# KiCad board Controller.kicad_pcb (continued)
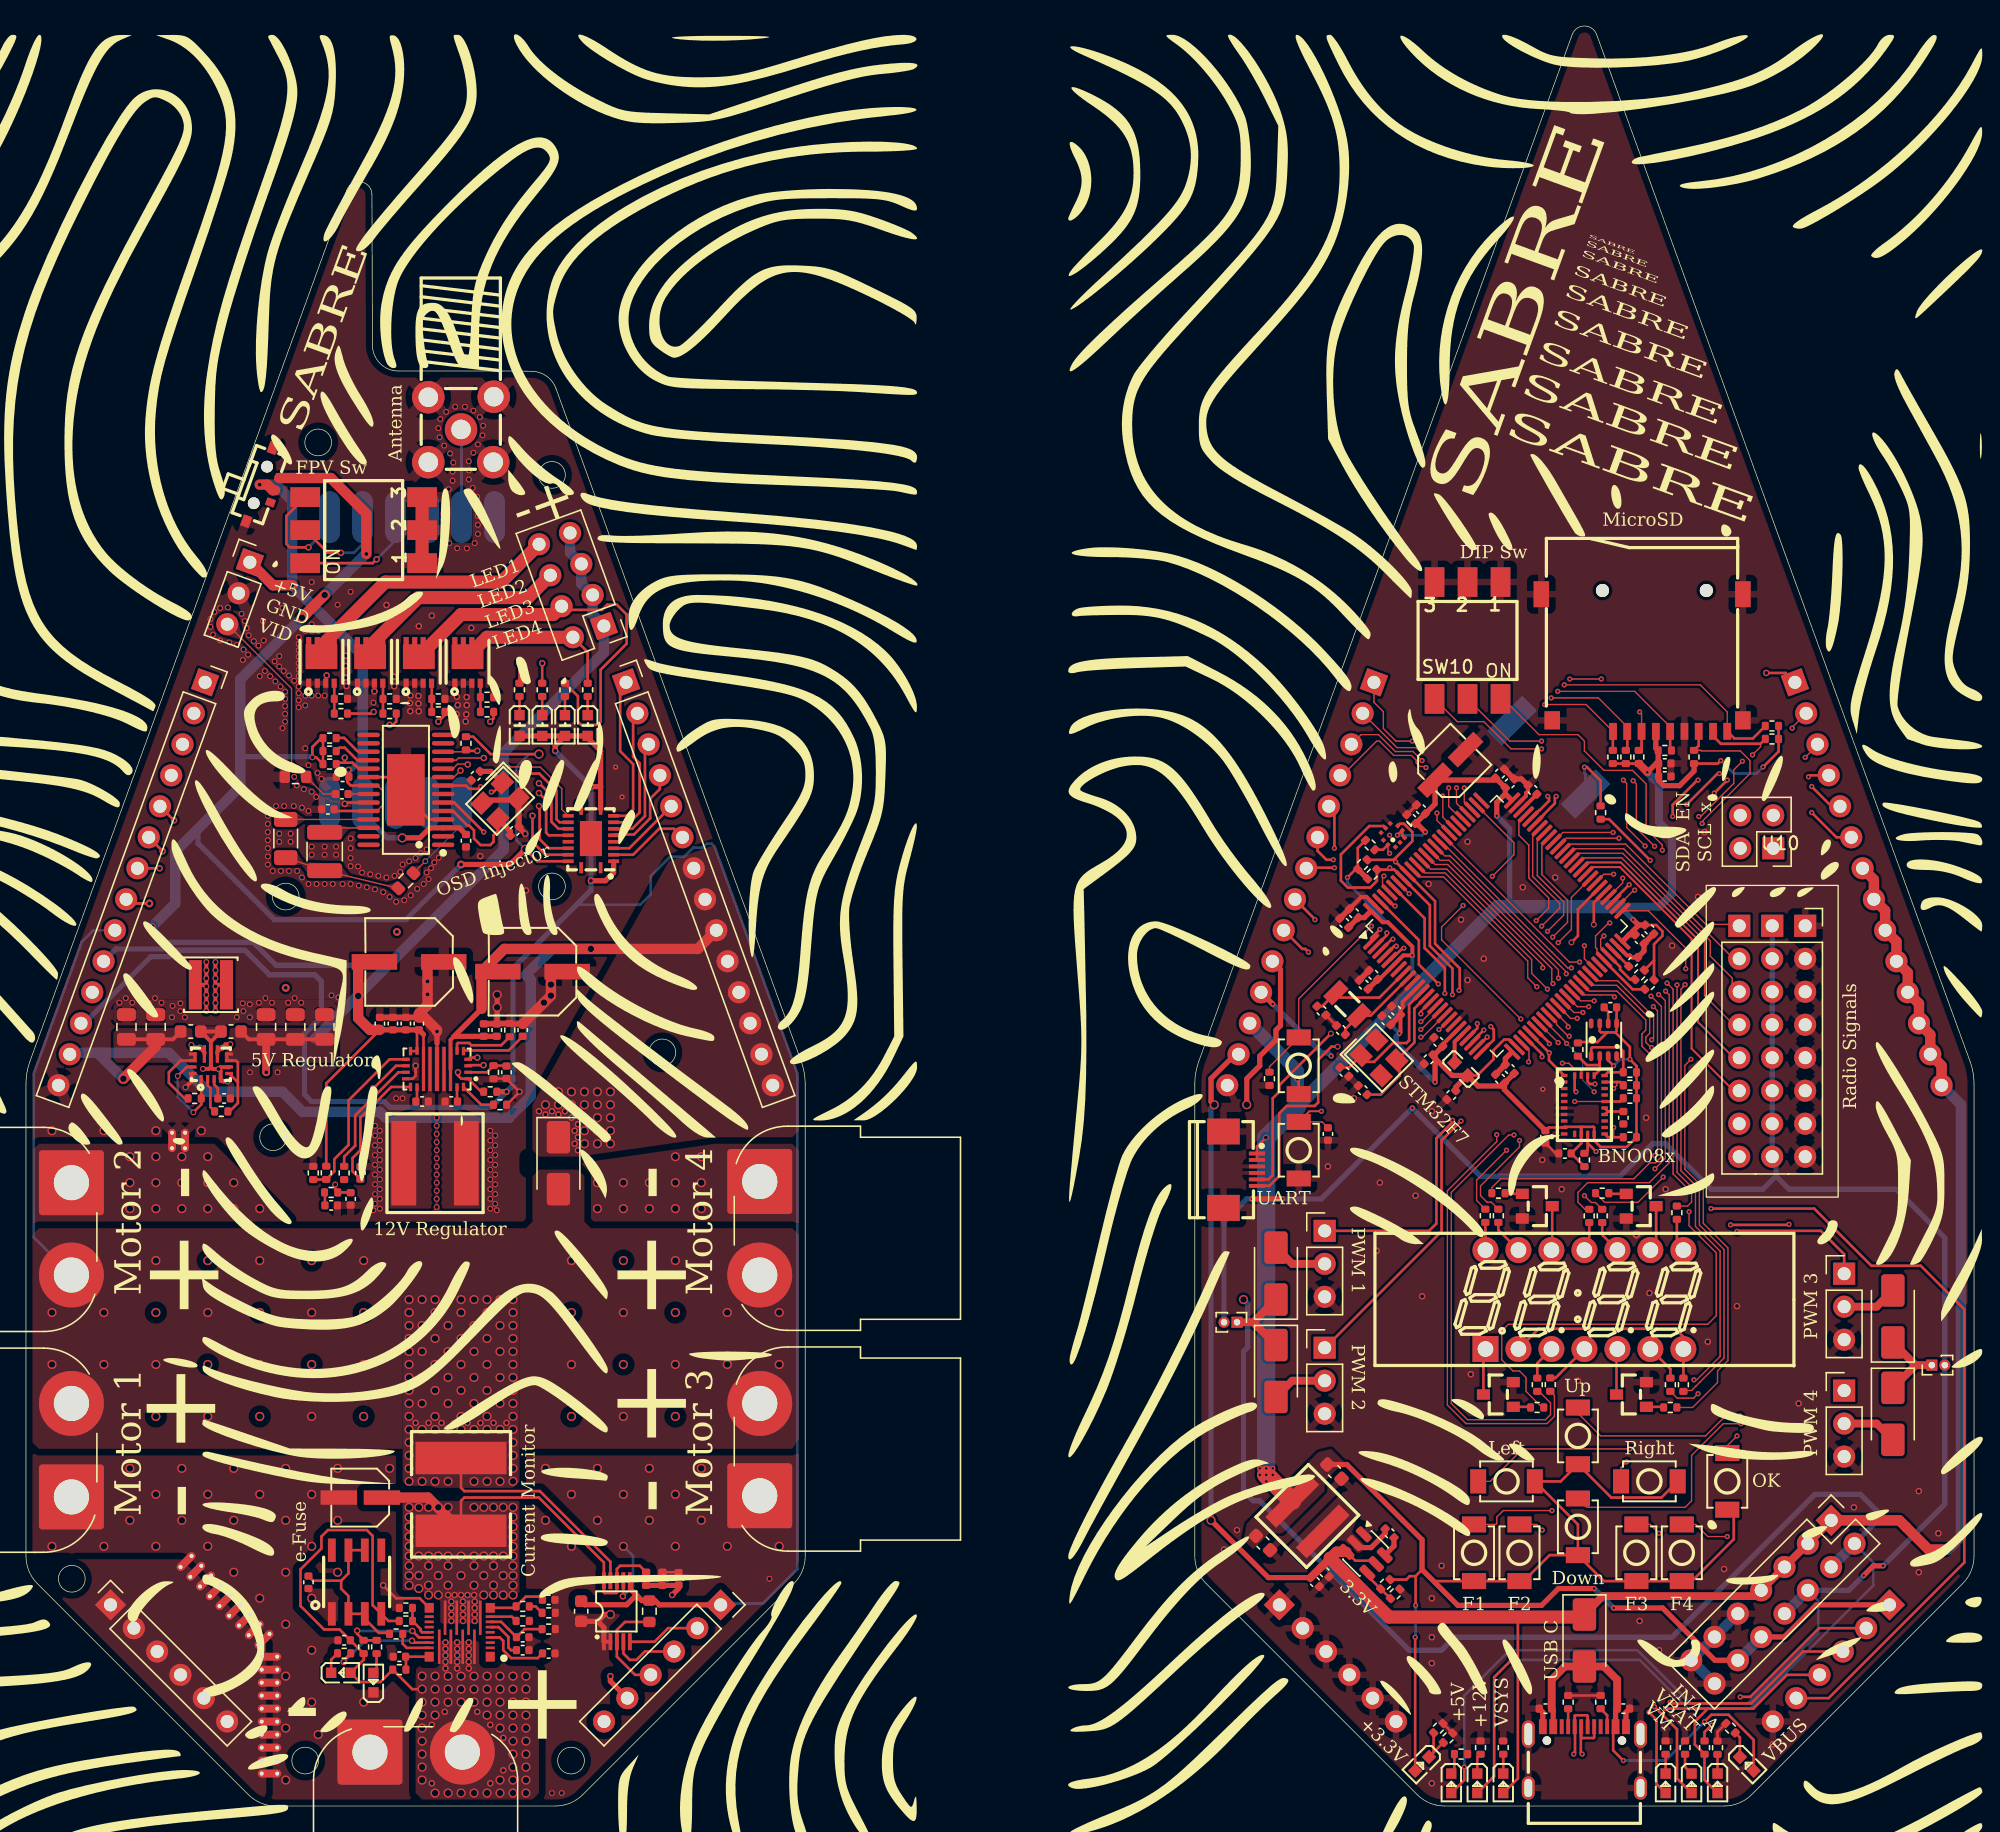
[diagram p0: board, top side]
## Library data of the parts (continued)
GPS = -: LCSC Part: C2856796
J1 = -: Description: Generic connector, double row, 02x07, odd/even pin numbering scheme (row 1 odd numbers, row 2 even numbers), script generated (kicad-library-utils/schlib/autogen/connector/); ki_fp_filters: Connector*:*_2x??_*
J2 J9 = -: Description: Generic connector, single row, 01x02, script generated; ki_fp_filters: Connector*:*_1x??_*
J5-J8 J10 = -: Description: Generic connector, single row, 01x03, script generated; ki_fp_filters: Connector*:*_1x??_*
J12 = -: Description: Generic connector, double row, 02x02, top/bottom pin numbering scheme (row 1: 1...pins_per_row, row2: pins_per_row+1 ... num_pins), script generated (kicad-library-utils/schlib/autogen/connector/); ki_fp_filters: Connector*:*_2x??_*
J13 J15 J18 J20 = -: Description: Generic connector, single row, 01x14, script generated; ki_fp_filters: Connector*:*_1x??_*
J14 J16 J17 J19 = -: Description: Generic connector, single row, 01x06, script generated; ki_fp_filters: Connector*:*_1x??_*
J21 = -: Description: Generic connector, double row, 02x04, odd/even pin numbering scheme (row 1 odd numbers, row 2 even numbers), script generated (kicad-library-utils/schlib/autogen/connector/); ki_fp_filters: Connector*:*_2x??_*
L1 = -: LCSC Part: C3033018
L2 = -: Datasheet: https://lcsc.com/product-detail/Multilayer-Ceramic-Capacitors_600R-25-at100MHz_C141723.html; LCSC Part: C141723
LED1 = -: Datasheet: https://lcsc.com/product-detail/Led-Segment-Display_4Bit0-28Inch-red-digital-LED_C10707.html; Description: 150mA; LCSC Part: C10707
LED2 LED9 LED11-LED16 = -: Datasheet: https://lcsc.com/product-detail/Light-Emitting-Diodes-LED_Yellow-green-0603_C2289.html; LCSC Part: C2289
LED3 LED8 = -: Datasheet: https://lcsc.com/product-detail/Light-Emitting-Diodes-LED_Red-LED-0603_C2286.html; LCSC Part: C2286
LED4-LED7 = -: Datasheet: https://lcsc.com/product-detail/Light-Emitting-Diodes-LED_0603White-light_C2290.html; LCSC Part: C2290
NT1 NT7-NT12 NT13#3 NT14 NT15#2 NT16 = -: Description: Net tie, 2 pins; ki_fp_filters: Net*Tie*
NT10#2-NT10#4 NT11#2-NT11#4 NT13 NT13#2 NT15 NT15#3 = -: Description: Net tie, 2 pins
Q1-Q3 Q5 = -: Datasheet: https://lcsc.com/product-detail/MOSFET_TI_CSD16340Q3_CSD16340Q3_C47616.html; LCSC Part: C47616
Q7-Q10 = -: Datasheet: https://lcsc.com/product-detail/MOSFET_LBSS138LT1G_C8490.html; LCSC Part: C8490
R1 R2 R4-R56 R58 R60-R69 R72-R78 R82-R88 R96-R104 = -: Description: Resistor; ki_fp_filters: R_*
R3 = -: Datasheet: https://lcsc.com/product-detail/Low-Resistors-Current-Sense-Resistors-Surface-Mount_Milliohm-HoLR2725D-4W-2mR-1_C500746.html; Description: Shunt; LCSC Part: C500746
SW1-SW9 SW11 SW12 = -: Datasheet: https://lcsc.com/product-detail/Tactile-Switches_XUNPU-TS-1088-AR02016_C720477.html; LCSC Part: C720477
SW10 SW14 = -: Datasheet: https://lcsc.com/product-detail/DIP-Switches_DIP-switch_C57453.html; LCSC Part: C57453
SW13 = -: Datasheet: https://lcsc.com/product-detail/Toggle-Switches_G-Switch-MK-11C04-G013_C778185.html; LCSC Part: C778185
U1 = -: Datasheet: https://www.st.com/resource/en/datasheet/stm32f765vg.pdf; Description: 200mA; ki_fp_filters: LQFP*14x14mm*P0.5mm*
U2 = -: Description: 20mA; LCSC Part: C717991
U3 = -: Description: 1mA; LCSC Part: C22391138
U4 = -: LCSC Part: C7305309
U5 = -: Description: 80mA; LCSC Part: C5346361
U6 = -: LCSC Part: C7498154
U7 = -: Description: 12V Buck/Boost; LCSC Part: C5942077
U8 = -: LCSC Part: C3911513
U9 = -: Datasheet: https://lcsc.com/product-detail/DC-DC-Converters_TI_TPS630701RNMT_TPS630701RNMT_C181473.html; Description: 5V Regulator; LCSC Part: C181473
U10 = -: Description: MC7REV2 compatible female pin headers for direct PCB connection
U11 = -: Description: Power Monitor; LCSC Part: C2653835
U12 = -: Datasheet: https://www.ti.com/lit/ds/symlink/lmr51430.pdf; Description: 3.3V Regulator; ki_fp_filters: SOT?23*
U13 = -: Description: RVT1E101M0607 25V; LCSC Part: C970685
U14 = -: Datasheet: https://lcsc.com/product-detail/Sensors_Bosch_BME280_BME280_C92489.html; LCSC Part: C92489
U15 = -: LCSC Part: C7420779
U16 = -: Datasheet: https://lcsc.com/product-detail/_Texas-Instruments_TXB0108RGYR_Texas-Instruments-Texas-Instruments-TXB0108RGYR_C194701.html; LCSC Part: C194701
U19 = -: LCSC Part: C6290347
U20 = -: LCSC Part: C2971297
USB1 = -: Datasheet: https://lcsc.com/product-detail/USB-Connectors_SHOU-HAN-TYPE-C-16P-073_C668624.html; LCSC Part: C668624
X1 = -: Datasheet: https://lcsc.com/product-detail/SMD-Crystals_YSX321SL-25MHZ-12PF-10PPM-40-85_C9006.html; LCSC Part: C9006
X2 = -: Datasheet: https://lcsc.com/product-detail/SMD-Crystals_EPSON_Q13FC1350000400_32-768KHz-20ppm-12-5pF_C32346.html; LCSC Part: C32346

## Footprints (pads in the part's own frame, mm; a bottom-side part is the same pattern mirrored in y, then rotated)
AMASS_XT60PW-F_1x02_P7.20mm_Horizontal
  round 5 hole 2.7: 1(-7.112,0)
  rrect 5x5 hole 2.7: 2(0,0)
AMASS_XT60PW-F_1x02_P7.20mm_Horizontal#2
  round 5 hole 2.7: 1(0,0)
  rrect 5x5 hole 2.7: 2(-7.2,0)
AMASS_XT60PW-M_1x02_P7.20mm_Horizontal
  rrect 5x5 hole 2.7: 1(7.112,0)
  round 5 hole 2.7: 2(0,0)
BUZ-SMD_L9.0-W9.0-P8.00-LS9.3
  rect 1.6x3.8 smd: 1(-4,0) 2(4,0)
C_0402_1005Metric
  rrect 0.56x0.62 smd: 1(-0.48,0) 2(0.48,0)
C_0603_1608Metric
  rrect 0.9x0.95 smd: 1(-0.775,0) 2(0.775,0)
C_0805_2012Metric
  rrect 1x1.45 smd: 1(-0.95,0) 2(0.95,0)
C_1206_3216Metric
  rrect 1.15x1.8 smd: 1(-1.475,0) 2(1.475,0)
C_1210_3225Metric
  rrect 1.15x2.7 smd: 1(-1.475,0) 2(1.475,0)
CAP-SMD_BD4.0-L4.3-W4.3-FD-LS5.3
  rect 2.8x1.1 smd: 1(-1.66,0) 2(1.66,0)
CAP-SMD_BD6.3-L6.6-W6.6-LS7.2-FD
  rect 3.5x1.2 smd: 1(-2.67,0) 2(2.67,0)
CAP-SMD_BD6.3-L6.6-W6.6-LS7.2-FD-1
  rect 3.5x1.2 smd: 1(-2.67,0) 2(2.67,0)
CRYSTAL-SMD_4P-L3.2-W2.5-BL
  rect 1.4x1.2 smd: 1(-1.1,-0.85) 2(1.1,-0.85) 3(1.1,0.85) 4(-1.1,0.85)
D_SMA
  rrect 2.5x1.8 smd: 1(-2,0) 2(2,0)
FC-135R_L3.2-W1.5
  rect 1x1.8 smd: 1(-1.25,0) 2(1.25,0)
FPC-SMD_6P-P0.50_XUNPU_FPC-05F-6PH20
  rect 0.3x1.25 smd: 1(-1.25,1.29) 2(-0.75,1.29) 3(-0.25,1.29) 4(0.25,1.29) 5(0.75,1.29) 6(1.25,1.29)
  rect 2x2.5 smd: 7(2.94,-1.29) 8(-2.94,-1.29)
HTSSOP-28_L9.7-W4.4-P0.65-LS6.4-BL-EP5.5
  oval 0.34x1.73 smd: 1(-4.23,-2.87) 2(-3.58,-2.87) 3(-2.93,-2.87) 4(-2.28,-2.87) 5(-1.63,-2.87) 6(-0.98,-2.87) 7(-0.32,-2.87) 8(0.33,-2.87) 9(0.98,-2.87) 10(1.63,-2.87) 11(2.28,-2.87) 12(2.93,-2.87) 13(3.58,-2.87) 14(4.23,-2.87) 15(4.23,2.87) 16(3.58,2.87) 17(2.93,2.87) 18(2.28,2.87) 19(1.63,2.87) 20(0.98,2.87) 21(0.33,2.87) 22(-0.32,2.87) 23(-0.98,2.87) 24(-1.63,2.87) 25(-2.28,2.87) 26(-2.93,2.87) 27(-3.58,2.87) 28(-4.23,2.87)
  rect 5.5x2.9 smd: 29(0,0)
IND-SMD_L4.0-W4.0-A
  rect 1x3.8 smd: 1(-1.2,0) 2(1.2,0)
IND-SMD_L5.5-W5.3
  rect 1.18x4.7 smd: 1(-1.66,0) 2(1.66,0)
IND-SMD_L7.5-W7.2-1
  rect 1.92x6.5 smd: 1(-2.41,0) 2(2.41,0)
L0603
  rect 0.8x0.86 smd: 1(-0.7,0) 2(0.7,0)
LED0603-R-RD_WHITE
  rect 0.8x0.8 smd: 1(0.8,0) 2(-0.8,0)
LED0603-RD
  rect 0.8x0.8 smd: 1(-0.75,0) 2(0.75,0)
LED-SEG-TH_14P-L32.2-W10.2-P2.54-S7.62-BL
  rect 2x2 hole 1.2: 1(-7.62,-3.81)
  round 2 hole 1.2: 2(-5.08,-3.81) 3(-2.54,-3.81) 4(0,-3.81) 5(2.54,-3.81) 6(5.08,-3.81) 7(7.62,-3.81) 8(7.62,3.81) 9(5.08,3.81) 10(2.54,3.81) 11(0,3.81) 12(-2.54,3.81) 13(-5.08,3.81) 14(-7.62,3.81)
LGA-8_BME280_BL
  oval 0.77x0.36 smd: 1(1.26,0.98) 2(1.26,0.33) 3(1.26,-0.32) 4(1.26,-0.98) 5(-1.26,-0.98) 6(-1.26,-0.32) 7(-1.26,0.33) 8(-1.26,0.98)
LGA-10_L2.0-W2.0-P0.50-TL_BMP580
  rect 0.3x0.3 smd: 1(-0.78,0.25) 2(-0.78,-0.25) 3(-0.5,-0.78) 4(0,-0.78) 5(0.5,-0.78) 6(0.78,-0.25) 7(0.78,0.25) 8(0.5,0.78) 9(0,0.78) 10(-0.5,0.78)
LGA-28_L5.2-W3.8-P0.50-BL-1
  rect 0.5x0.25 smd: 1(-1.56,-2.25) 6(1.56,-2.25) 7(1.56,-1.75) 8(1.56,-1.25) 9(1.56,-0.75) 10(1.56,-0.25) 11(1.56,0.25) 12(1.56,0.75) 13(1.56,1.25) 14(1.56,1.75) 15(1.56,2.25) 20(-1.56,2.25) 21(-1.56,1.75) 22(-1.56,1.25) 23(-1.56,0.75) 24(-1.56,0.25) 25(-1.56,-0.25) 26(-1.56,-0.75) 27(-1.56,-1.25) 28(-1.56,-1.75)
  rect 0.25x0.5 smd: 2(-0.75,-2.25) 3(-0.25,-2.25) 4(0.25,-2.25) 5(0.75,-2.25) 16(0.75,2.25) 17(0.25,2.25) 18(-0.25,2.25) 19(-0.75,2.25)
LQFP-100_14x14mm_P0.5mm
  rrect 1.6x0.3 smd: 1(-7.675,6) 2(-7.675,5.5) 3(-7.675,5) 4(-7.675,4.5) 5(-7.675,4) 6(-7.675,3.5) 7(-7.675,3) 8(-7.675,2.5) 9(-7.675,2) 10(-7.675,1.5) 11(-7.675,1) 12(-7.675,0.5) 13(-7.675,0) 14(-7.675,-0.5) 15(-7.675,-1) 16(-7.675,-1.5) 17(-7.675,-2) 18(-7.675,-2.5) 19(-7.675,-3) 20(-7.675,-3.5) 21(-7.675,-4) 22(-7.675,-4.5) 23(-7.675,-5) 24(-7.675,-5.5) 25(-7.675,-6) 51(7.675,-6) 52(7.675,-5.5) 53(7.675,-5) 54(7.675,-4.5) 55(7.675,-4) 56(7.675,-3.5) 57(7.675,-3) 58(7.675,-2.5) 59(7.675,-2) 60(7.675,-1.5) 61(7.675,-1) 62(7.675,-0.5) 63(7.675,0) 64(7.675,0.5) 65(7.675,1) 66(7.675,1.5) 67(7.675,2) 68(7.675,2.5) 69(7.675,3) 70(7.675,3.5) 71(7.675,4) 72(7.675,4.5) 73(7.675,5) 74(7.675,5.5) 75(7.675,6)
  rrect 0.3x1.6 smd: 26(-6,-7.675) 27(-5.5,-7.675) 28(-5,-7.675) 29(-4.5,-7.675) 30(-4,-7.675) 31(-3.5,-7.675) 32(-3,-7.675) 33(-2.5,-7.675) 34(-2,-7.675) 35(-1.5,-7.675) 36(-1,-7.675) 37(-0.5,-7.675) 38(0,-7.675) 39(0.5,-7.675) 40(1,-7.675) 41(1.5,-7.675) 42(2,-7.675) 43(2.5,-7.675) 44(3,-7.675) 45(3.5,-7.675) 46(4,-7.675) 47(4.5,-7.675) 48(5,-7.675) 49(5.5,-7.675) 50(6,-7.675) 76(6,7.675) 77(5.5,7.675) 78(5,7.675) 79(4.5,7.675) 80(4,7.675) 81(3.5,7.675) 82(3,7.675) 83(2.5,7.675) 84(2,7.675) 85(1.5,7.675) 86(1,7.675) 87(0.5,7.675) 88(0,7.675) 89(-0.5,7.675) 90(-1,7.675) 91(-1.5,7.675) 92(-2,7.675) 93(-2.5,7.675) 94(-3,7.675) 95(-3.5,7.675) 96(-4,7.675) 97(-4.5,7.675) 98(-5,7.675) 99(-5.5,7.675) 100(-6,7.675)
MC7RE
  rect 1.7x1.7 hole 1: 1(-2.54,8.89) 9(2.54,8.89) 17(0,8.89)
  round 1.7 hole 1: 2(-2.54,6.35) 3(-2.54,3.81) 4(-2.54,1.27) 5(-2.54,-1.27) 6(-2.54,-3.81) 7(-2.54,-6.35) 8(-2.54,-8.89) 10(2.54,6.35) 11(2.54,3.81) 12(2.54,1.27) 13(2.54,-1.27) 14(2.54,-3.81) 15(2.54,-6.35) 16(2.54,-8.89) 18(0,6.35) 19(0,3.81) 20(0,1.27) 21(0,-1.27) 22(0,-3.81) 23(0,-6.35) 24(0,-8.89)
NetTie-2_THT_Pad0.3mm
  round 0.6 hole 0.3: 1(0,0) 2(1.2,0)
PinHeader_1x02_P1.00mm_Vertical
  rect 0.85x0.85 hole 0.5: 1(0,0)
  round 0.85 hole 0.5: 2(0,-1)
PinHeader_1x03_P2.54mm_Vertical
  rect 1.7x1.7 hole 1: 1(0,0)
  round 1.7 hole 1: 2(0,-2.54) 3(0,-5.08)
PinHeader_1x06_P2.54mm_Vertical
  rect 1.7x1.7 hole 1: 1(0,0)
  round 1.7 hole 1: 2(0,-2.54) 3(0,-5.08) 4(0,-7.62) 5(0,-10.16) 6(0,-12.7)
PinHeader_1x14_P2.54mm_Vertical
  rect 1.7x1.7 hole 1: 1(0,33.02)
  round 1.7 hole 1: 2(0,30.48) 3(0,27.94) 4(0,25.4) 5(0,22.86) 6(0,20.32) 7(0,17.78) 8(0,15.24) 9(0,12.7) 10(0,10.16) 11(0,7.62) 12(0,5.08) 13(0,2.54) 14(0,0)
PinHeader_2x02_P2.54mm_Vertical
  rect 1.7x1.7 hole 1: 1(0,0)
  round 1.7 hole 1: 2(2.54,0) 3(0,-2.54) 4(2.54,-2.54)
PinHeader_2x04_P2.54mm_Vertical
  rect 1.7x1.7 hole 1: 1(0,0)
  round 1.7 hole 1: 2(2.54,0) 3(0,-2.54) 4(2.54,-2.54) 5(0,-5.08) 6(2.54,-5.08) 7(0,-7.62) 8(2.54,-7.62)
PinHeader_2x07_P2.54mm_Vertical
  rect 1.7x1.7 hole 1: 1(0,0)
  round 1.7 hole 1: 2(2.54,0) 3(0,-2.54) 4(2.54,-2.54) 5(0,-5.08) 6(2.54,-5.08) 7(0,-7.62) 8(2.54,-7.62) 9(0,-10.16) 10(2.54,-10.16) 11(0,-12.7) 12(2.54,-12.7) 13(0,-15.24) 14(2.54,-15.24)
PinSocket_1x06_P2.54mm_Vertical
  rect 1.7x1.7 hole 1: 1(0,0)
  round 1.7 hole 1: 2(0,-2.54) 3(0,-5.08) 4(0,-7.62) 5(0,-10.16) 6(0,-12.7)
PinSocket_1x14_P2.54mm_Vertical
  rect 1.7x1.7 hole 1: 1(0,33.02)
  round 1.7 hole 1: 2(0,30.48) 3(0,27.94) 4(0,25.4) 5(0,22.86) 6(0,20.32) 7(0,17.78) 8(0,15.24) 9(0,12.7) 10(0,10.16) 11(0,7.62) 12(0,5.08) 13(0,2.54) 14(0,0)
QFN-26_L5.0-W4.5_TPS259850RQPR
  rect 0.7x0.75 smd: 1(-2.35,1.88) 9(-2.35,-1.88) 14(2.35,-1.88) 22(2.35,1.88)
  rect 0.7x0.2 smd: 2(-2.35,1.2) 3(-2.35,0.8) 4(-2.35,0.4) 5(-2.35,0) 6(-2.35,-0.4) 7(-2.35,-0.8) 8(-2.35,-1.2) 15(2.35,-1.2) 16(2.35,-0.8) 17(2.35,-0.4) 18(2.35,0) 19(2.35,0.4) 20(2.35,0.8) 21(2.35,1.2)
  rect 0.2x2.65 smd: 10(-1.58,-1.12) 11(-0.68,-1.12) 12(0.23,-1.12) 13(1.13,-1.12) 23(1.58,1.12) 24(0.68,1.12) 25(-0.23,1.12) 26(-1.13,1.12)
R2725
  rect 2.5x7 smd: 1(-2.8,0) 2(2.8,0)
R_0402_1005Metric
  rrect 0.54x0.64 smd: 1(-0.51,0) 2(0.51,0)
R_0603_1608Metric
  rrect 0.8x0.95 smd: 1(-0.825,0) 2(0.825,0)
SMA-TH_SMA-KWE_C7498154
  round 2.5 hole 1.5: 1(-2.48,-2.52) 2(-2.52,2.52) 3(2.52,2.48) 4(2.52,-2.52) 5(0,0)
SO-8_L4.9-W3.9-P1.27-LS6.0-BL
  rect 0.6x1.8 smd: 1(-1.91,-2.45) 2(-0.63,-2.45) 3(0.63,-2.45) 4(1.9,-2.45) 5(1.9,2.45) 6(0.63,2.45) 7(-0.63,2.45) 8(-1.91,2.45)
SOT-23-6
  rrect 1.325x0.6 smd: 1(-1.137,0.95) 2(-1.137,0) 3(-1.137,-0.95) 4(1.137,-0.95) 5(1.137,0) 6(1.137,0.95)
SOT-23_L2.9-W1.3-P1.90-LS2.4-BR
  rect 1x0.8 smd: 1(1.15,-0.95) 2(1.15,0.95) 3(-1.15,0)
SW-SMD_DSIC03LSGET
  rect 1.52x2.29 smd: 1(-2.54,-4.5) 2(0,-4.5) 3(2.54,-4.5) 4(2.54,4.5) 5(0,4.5) 6(-2.54,4.5)
SW-SMD_L3.9-W3.0-P4.45
  rect 1.23x1.86 smd: 1(-2.18,0) 2(2.18,0)
SW-SMD_MK-11C04-G013
  round 0.9 hole 0.9: (-1.5,-0.56) (1.5,-0.56)
  rect 0.6x0.7 smd: 1(-1,0.63) 2(1,0.63) C(0,0.63)
  rect 0.9x0.7 smd: 4(3,-0.63) 5(-3,-0.63)
TF-SMD_TF-01A
  round 1 hole 1: (-4.95,-5.57) (3.05,-5.57)
  rect 0.6x1.3 smd: 1(2.24,5.28) 2(1.14,5.28) 3(0.04,5.28) 4(-1.06,5.28) 5(-2.16,5.28) 6(-3.26,5.28) 7(-4.36,5.28) 8(-5.46,5.28) 9(-6.56,5.28)
  rect 1.2x1.4 smd: 10(-7.76,4.43) 13(6.92,4.43)
  rect 1.2x2 smd: 11(-7.76,-5.28) 12(7.76,-5.28)
TX5813
  oval 4x1.6 smd: 1(11,7.7) 2(11,5.16) 3(11,2.62) 4(11,0.08) 5(11,-2.46) 6(11,-5) 7(-11,5.16) 8(-11,2.62) 9(-11,0.08) 10(-11,-2.46) 11(-11,-5)
USB-C-SMD_TYPE-C16PIN_C668624
  round 0.65 hole 0.65: (-2.89,1.29) (2.89,1.29)
  oval 1x2.1 hole 0.6x1.7: 1(-4.32,1.79) 2(4.32,1.79)
  oval 1x1.8 hole 0.6x1.4: 3(-4.32,-2.36) 4(4.32,-2.36)
  rect 0.6x1.15 smd: A1B12(-3.2,2.36) A4B9(-2.4,2.36) B1A12(3.2,2.36) B4A9(2.4,2.36)
  rect 0.3x1.15 smd: A5(-1.25,2.36) A6(-0.25,2.36) A7(0.25,2.36) A8(1.25,2.36) B5(1.75,2.36) B6(0.75,2.36) B7(-0.75,2.36) B8(-1.75,2.36)
VQFN-15_L3.0-W2.5-P0.50-BL
  rect 0.25x0.6 smd: 1(-0.75,-0.96) 2(-0.25,-0.96) 3(0.25,-0.96) 4(0.75,-0.96)
  rect 0.6x0.25 smd: 5(1.4,-0.54) 6(1.4,-0.04) 7(1.4,0.96) 7(1.4,0.46) 12(-1.4,0.96) 12(-1.4,0.46) 14(-1.4,-0.04) 15(-1.4,-0.54)
  rect 0.25x0.75 smd: 7(1.23,0.71) 12(-1.23,0.71)
  rect 0.25x1.35 smd: 9(0.5,0.96) 11(-0.5,0.96)
  rect 0.25x1.8 smd: 10(0,0.73)
VQFN-20_L4.5-W3.5-P0.50-BL-EP
  rect 0.85x0.28 smd: 1(-2.25,-0.75) 10(2.25,-0.75) 11(2.25,0.75) 20(-2.25,0.75)
  rect 0.28x0.85 smd: 2(-1.75,-1.75) 3(-1.25,-1.75) 4(-0.75,-1.75) 5(-0.25,-1.75) 6(0.25,-1.75) 7(0.75,-1.75) 8(1.25,-1.75) 9(1.75,-1.75) 12(1.75,1.75) 13(1.25,1.75) 14(0.75,1.75) 15(0.25,1.75) 16(-0.25,1.75) 17(-0.75,1.75) 18(-1.25,1.75) 19(-1.75,1.75)
  rect 2.7x1.7 smd: 21(0,0)
VQFN-21_L5.0-W3.0-P0.50-TL
  rect 0.6x0.25 smd: 1(-2.4,0.75) 2(-2.4,0.25) 3(-2.4,-0.25) 4(-2.4,-0.75) 14(2.4,-0.75) 15(2.4,-0.25) 16(2.4,0.25) 17(2.4,0.75)
  rect 0.25x0.65 smd: 5(-2.04,-1.38) 13(2.04,-1.38) 18(2.04,1.38) 21(-2.04,1.38)
  rect 0.25x0.6 smd: 6(-1.54,-1.4) 12(1.54,-1.4) 19(1.54,1.4) 20(-1.54,1.4)
  rect 0.25x3.4 smd: 7(-1.04,0) 8(-0.54,0) 10(0.54,0) 11(1.04,0)
  rect 0.33x3.4 smd: 9(0,0)
VSON-CLIP-8_L3.3-W3.3-P0.65-BL
  rect 0.4x0.7 smd: 1(-0.98,-1.6) 2(-0.32,-1.6) 3(0.33,-1.6) 4(0.98,-1.6) 5(0.98,1.6) 6(0.33,1.6) 7(-0.32,1.6) 8(-0.98,1.6)
  rect 2.45x1.9 smd: 8(0,0.44)
VSSOP-10_L3.0-W3.0-P0.50-LS4.9-BL
  rect 0.3x1.3 smd: 1(-1,-2.35) 2(-0.5,-2.35) 3(0,-2.35) 4(0.5,-2.35) 5(1,-2.35) 6(1,2.35) 7(0.5,2.35) 8(0,2.35) 9(-0.5,2.35) 10(-1,2.35)

## Nets
+3.3V: C12.2 C13.2 C29.1 C30.1 C32.2 C33.2 C34.2 C42.1 C43.1 C45.1 C46.1 C47.1 C48.1 C49.1 C50.1 C51.1 C52.1 C53.1 C54.1 C55.1 C56.1 C64.1 C65.1 C67.1 C68.1 Card2.4 GPS.1 GPS.2 J1.10 J1.12 J13.12 J14.1 L2.2 LED16.2 R6.2 R9.2 R25.2 R26.2 R27.1 R58.2 R61.2 R62.2 R63.2 R64.2 R65.2 R66.2 R96.1 R97.1 R98.1 R99.1 R100.1 R102.1 R103.2 R104.2 SW1.2 SW2.2 SW3.2 SW4.2 SW5.2 SW6.2 SW7.2 SW8.2 SW9.2 SW12.1 U1.6 U1.11 U1.20 U1.27 U1.50 U1.75 U1.100 U2.3 U2.5 U2.28 U3.1 U3.10 U4.2 U14.2 U14.6 U14.8
+3.3V_B: C1.2 J15.12 J16.1 LED4.1 LED5.1 LED6.1 LED7.1 R28.1 R101.2 U11.6 U16.2 U16.10
+5V: J1.6 J1.8 J2.2 J9.2 J13.11 LED15.2 U10.17 U10.18 U10.19 U10.20 U10.21 U10.22 U10.23 U10.24
+5V_B: C6.2 C7.2 C8.2 C9.2 J15.11 R8.2 R85.2 R86.2 R87.2 R88.2 SW13.1 U9.5 U9.7 U16.19
+12V: J1.2 J1.4 J13.10 LED14.2
+12V_B: C19.2 C20.2 C21.2 C22.2 C25.2 J15.10 J21.1 J21.3 J21.5 J21.7 R11.2 U7.11 U7.12 U7.13
GND: BUZ1.2 C10.2 C12.1 C13.1 C29.2 C30.2 C31.1 C32.1 C33.1 C34.1 C35.2 C42.2 C43.2 C45.2 C46.2 C47.2 C48.2 C49.2 C50.2 C51.2 C52.2 C53.2 C54.2 C55.2 C56.2 C57.1 C58.1 C59.2 C60.2 C61.1 C62.2 C63.2 C64.2 C65.2 C67.2 C68.2 C77.2 C78.2 Card2.6 Card2.10 Card2.11 Card2.12 Card2.13 GPS.3 GPS.4 GPS.7 GPS.8 J1.9 J1.11 J1.13 J1.14 J5.3 J6.3 J7.3 J8.3 J13.14 J14.6 J19.1 J19.2 J19.3 J19.4 J19.5 J19.6 Q7.2 Q8.2 Q9.2 Q10.2 R1.2 R2.2 R4.2 R5.2 R10.2 R22.2 R72.2 R73.2 R74.2 R75.2 R76.2 R77.2 R82.2 SW10.1 SW10.2 SW10.3 SW11.1 U1.10 U1.19 U1.26 U1.49 U1.74 U1.99 U2.2 U2.25 U2.26 U3.3 U3.5 U3.6 U3.8 U3.9 U10.9 U10.10 U10.11 U10.12 U10.13 U10.14 U10.15 U10.16 U12.1 U14.1 U14.7 USB1.1 USB1.2 USB1.3 USB1.4 USB1.A1B12 USB1.B1A12 X1.2 X1.4
GND_B: C2.2 C3.1 C4.1 C5.1 C6.1 C7.1 C8.1 C9.1 C16.1 C17.1 C18.1 C19.1 C20.1 C21.1 C22.1 C23.1 C24.1 C25.1 C27.1 C36.1 C37.1 C38.1 C39.2 C40.1 C44.2 J10.2 J15.14 J16.6 J17.1 J17.2 J17.3 J17.4 J17.5 J17.6 NT1.1 NT7.1 NT8.1 NT9.1 NT10.1 NT10#2.1 NT10#3.1 NT10#4.1 NT11.1 NT11#2.1 NT11#3.1 NT11#4.1 NT12.1 NT13.1 NT13#2.1 NT13#3.1 NT14.1 NT15.1 NT15#2.1 NT15#3.1 NT16.1 Q1.1 Q1.2 Q1.3 Q2.1 Q2.2 Q2.3 Q3.1 Q3.2 Q3.3 Q5.1 Q5.2 Q5.3 R13.1 R14.2 R16.1 R20.2 R29.1 R30.1 R31.1 R34.1 R35.1 R83.2 SW13.4 SW13.5 SW14.1 SW14.2 SW14.3 U5.4 U5.20 U5.23 U5.29 U6.1 U6.2 U6.3 U6.4 U7.9 U7.17 U9.4 U9.6 U9.10 U9.15 U13.1 U15.2 U15.4 U16.11 U16.21 U17.1 U17.3 U17.9 U17.11
VBAT: J13.8 LED11.2
VBAT_B: C74.1 J15.8 R3.2 R23.1 U11.8 U11.10 U19.10 U19.11 U19.12 U19.13
VBUS: C35.1 C77.1 D1.2 LED2.2 USB1.A4B9 USB1.B4A9
BMP580_INT: R102.2 U1.96 U3.7
BNO580_BOOTN: R27.2 U1.34 U2.4
BNO580_CSN: U1.77 U2.18
BNO580_INTN: R98.2 U1.33 U2.14
BNO580_MISO: U1.30 U2.20
BNO580_MOSI: U1.31 U2.17
BNO580_NRST: R97.2 U1.32 U2.11
BNO580_SCLK: U1.29 U2.19
BNO580_WAKE: R96.2 U1.35 U2.6
BOOT: R22.1 SW12.2 U1.94
BOOT1: C14.2 U7.8 U8.2
BOOT2: C15.2 U7.10 U8.1
BUTTON_DECREASE: SW4.1 U1.39
BUTTON_F1: SW6.1 U1.41
BUTTON_F2: SW7.1 U1.42
BUTTON_F3: SW8.1 U1.43
BUTTON_F4: SW9.1 U1.51
BUTTON_INCREASE: SW3.1 U1.38
BUTTON_LEFT: SW1.1 U1.36
BUTTON_OK: SW5.1 U1.40
BUTTON_RIGHT: SW2.1 U1.37
BUZZER: R78.1 U1.53
DIP_1: SW10.6 U1.52
DIP_2: SW10.5 U1.54
DIP_3: SW10.4 U1.57
DISP_A: R41.2 U1.87
DISP_B: R44.2 U1.86
DISP_C: R38.2 U1.85
DISP_D: R39.2 U1.84
DISP_D2D1: R45.2 U1.58
DISP_DIG1: R46.1 U1.91
DISP_DIG2: R48.1 U1.90
DISP_DIG3: R36.1 U1.89
DISP_DIG4: R47.1 U1.88
DISP_DP: R40.2 U1.67
DISP_E: R37.2 U1.72
DISP_F: R42.2 U1.69
DISP_G: R43.2 U1.68
EXTRA_I2C_EN: J12.4 U1.44
EXTRA_I2C_SCL: J12.1 R103.1 U1.46
EXTRA_I2C_SDA: J12.2 R104.1 U1.47
GPS_RX: GPS.5 U1.55
GPS_TX: GPS.6 U1.56
HSE_IN: C61.2 U1.12 X1.1
HSE_OUT: C60.1 U1.13 X1.3
INA_ALERT_B: J16.4 R101.1 U11.3
INA_ALERT_T: J14.4 LED3.2 R6.1 U1.95
LED1_POWER: J21.8 Q1.5 Q1.6 Q1.7 Q1.8 R67.2
LED1_PWM_B: J15.1 R17.2
LED1_PWM_T: J13.1 U1.15
LED2_POWER: J21.6 Q2.5 Q2.6 Q2.7 Q2.8 R60.2
LED2_PWM_B: J15.2 R18.2
LED2_PWM_T: J13.2 U1.16
LED3_POWER: J21.4 Q5.5 Q5.6 Q5.7 Q5.8 R68.2
LED3_PWM_B: J15.3 R21.2
LED3_PWM_T: J13.3 U1.17
LED4_POWER: J21.2 Q3.5 Q3.6 Q3.7 Q3.8 R69.2
LED4_PWM_B: J15.4 R19.2
LED4_PWM_T: J13.4 U1.18
LSE_IN: C59.1 U1.8 X2.1
LSE_OUT: C62.1 U1.9 X2.2
MAIN_SCK_B: J15.6 J16.2 U7.3 U11.5
MAIN_SCK_T: J13.6 J14.2 R99.2 U1.92 U3.2
MAIN_SDA_B: J15.7 J16.3 U7.4 U11.4
MAIN_SDA_T: J13.7 J14.3 R100.2 U1.93 U3.4
MAX7456_CS_3.3V_B: J20.4 U16.6
MAX7456_CS_3.3V_T: J18.4 U1.3
MAX7456_CS_5V: U5.8 U16.15
MAX7456_HSYNC_5V: R87.1 U5.18
MAX7456_LOS_3.3V_B: J20.5 U16.4
MAX7456_LOS_3.3V_T: J18.5 U1.2
MAX7456_LOS_5V: R86.1 U5.12 U16.17
MAX7456_RESET_3.3V_B: J20.6 U16.3
MAX7456_RESET_3.3V_T: J18.6 U1.98
MAX7456_RESET_5V: R88.1 U5.19 U16.18
MAX7456_SCLK_3.3V_B: J20.1 U16.9
MAX7456_SCLK_3.3V_T: J18.1 U1.1
MAX7456_SCLK_5V: U5.10 U16.12
MAX7456_SDIN_3.3V_B: J20.2 U16.8
MAX7456_SDIN_3.3V_T: J18.2 U1.5
MAX7456_SDIN_5V: U5.9 U16.13
MAX7456_SDOUT_3.3V_B: J20.3 U16.7
MAX7456_SDOUT_3.3V_T: J18.3 U1.4
MAX7456_SDOUT_5V: U5.11 U16.14
MAX7456_VSYNC_5V: R85.1 U5.17
MGND_B: C1.1 C28.1 C69.1 C70.2 C71.2 C72.1 C73.1 C74.2 C75.1 C76.2 CN1.1 CN2.2 CN4.2 CN5.2 CN6.2 LED9.1 NT1.2 NT7.2 NT8.2 NT9.2 NT10.2 NT10#2.2 NT10#3.2 NT10#4.2 NT11.2 NT11#2.2 NT11#3.2 NT11#4.2 NT12.2 NT13.2 NT13#2.2 NT13#3.2 NT14.2 NT15.2 NT15#2.2 NT15#3.2 NT16.2 R24.2 R49.1 R50.1 R51.2 R52.2 U11.1 U11.2 U11.7 U19.14 U20.1
MOTOR_PWM1: J5.1 U1.22
MOTOR_PWM2: J6.1 U1.23
MOTOR_PWM3: J7.1 U1.24
MOTOR_PWM4: J8.1 U1.25
RADIO_PWM1: U1.64 U10.1
RADIO_PWM2: U1.63 U10.2
RADIO_PWM3: U1.62 U10.3
RADIO_PWM4: U1.61 U10.4
RADIO_PWM5: U1.60 U10.5
RADIO_PWM6: U1.59 U10.6
RESET: C63.1 SW11.2 U1.14
SD_CD: Card2.9 R58.1 U1.82
SD_CLK: Card2.5 R64.1 U1.80
SD_CMD: Card2.3 R65.1 U1.83
SD_DAT0: Card2.7 R63.1 U1.65
SD_DAT1: Card2.8 R62.1 U1.66
SD_DAT2: Card2.1 R61.1 U1.78
SD_DAT3: Card2.2 R66.1 U1.79
TPS_ENABLE_B: J15.5 R28.2 U7.1
TPS_ENABLE_T: J13.5 U1.97
USB_DN: U1.70 USB1.A7 USB1.B7
USB_DP: U1.71 USB1.A6 USB1.B6
VIDEO_IN: C41.1 J10.3 R83.1
VIDEO_OUT: R84.1 U17.7
VMOTORS: J13.9 LED12.2
VMOTORS_B: CN2.1 CN4.1 CN5.1 CN6.1 D2.2 J15.9 R3.1 U11.9
VOLTAGE_ADC_B: C28.2 J16.5 R23.2 R24.1
VOLTAGE_ADC_T: J14.5 U1.28
VSYS: C10.1 C78.1 D1.1 J1.1 J1.3 J1.5 J1.7 J13.13 J18.7 J18.8 J18.9 J18.10 J18.11 J18.12 J18.13 J18.14 LED13.2 U12.3 U12.5
VSYS_B: C3.2 C4.2 C5.2 C16.2 C27.2 D2.1 J15.13 J20.7 J20.8 J20.9 J20.10 J20.11 J20.12 J20.13 J20.14 R7.1 U7.7 U9.12 U13.2
VTX_CH1: SW14.4 U17.6
VTX_CH2: SW14.5 U17.5
VTX_CH3: SW14.6 U17.4
VTX_SUPPLY: C36.2 C37.2 C38.2 J10.1 SW13.C U5.3 U5.21 U5.24 U17.10
XTAL1: C40.2 U5.5 U15.3
XTAL2: C39.1 U5.6 U15.1
Net-(BUZ1-+): BUZ1.1 R78.2
Net-(C24-Pad2): C24.2 R12.1
Net-(C66-Pad1): C66.1 C79.1 R84.2
Net-(C76-Pad1): C76.1 R56.1 U20.2 U20.3 U20.6 U20.7
Net-(CN1-+): C75.2 CN1.2 LED8.2 R32.2 R33.2 R55.1 U19.23 U19.24 U19.25 U19.26 U20.4
Net-(D3-A): D3.2 J5.2
Net-(D3-K): D3.1 D4.1 J2.1
Net-(D4-A): D4.2 J6.2
Net-(D5-A): D5.2 J7.2
Net-(D5-K): D5.1 D6.1 J9.1
Net-(D6-A): D6.2 J8.2
Net-(LED1-A): LED1.14 R42.1
Net-(LED1-B): LED1.8 R44.1
Net-(LED1-C): LED1.6 R38.1
Net-(LED1-D2D1): LED1.11 R41.1
Net-(LED1-D-Pad2): LED1.2 LED1.7 R39.1
Net-(LED1-DIG1): LED1.1 Q7.3
Net-(LED1-DIG2): LED1.12 Q10.3
Net-(LED1-DIG3): LED1.5 Q8.3
Net-(LED1-DIG4): LED1.9 Q9.3
Net-(LED1-DP): LED1.3 R40.1
Net-(LED1-E): LED1.4 R37.1
Net-(LED1-F): LED1.13 R45.1
Net-(LED1-G): LED1.10 R43.1
Net-(LED2-K): LED2.1 R72.1
Net-(LED3-K): LED3.1 R4.1
Net-(LED4-K): LED4.2 R67.1
Net-(LED5-K): LED5.2 R60.1
Net-(LED6-K): LED6.2 R68.1
Net-(LED7-K): LED7.2 R69.1
Net-(LED8-K): LED8.1 R53.1
Net-(LED9-A): LED9.2 R54.1
Net-(LED11-K): LED11.1 R5.1
Net-(LED12-K): LED12.1 R73.1
Net-(LED13-K): LED13.1 R74.1
Net-(LED14-K): LED14.1 R75.1
Net-(LED15-K): LED15.1 R76.1
Net-(LED16-K): LED16.1 R77.1 R82.1
Net-(Q1-G): Q1.4 R17.1 R29.2
Net-(Q2-G): Q2.4 R18.1 R30.2
Net-(Q3-G): Q3.4 R19.1 R34.2
Net-(Q5-G): Q5.4 R21.1 R31.2
Net-(Q7-G): Q7.1 R46.2
Net-(Q8-G): Q8.1 R36.2
Net-(Q9-G): Q9.1 R47.2
Net-(Q10-G): Q10.1 R48.2
Net-(R15-Pad2): R15.2 R52.1
Net-(U1-VCAP_1): C57.2 U1.48
Net-(U1-VCAP_2): C58.2 U1.73
Net-(U1-VDDA): L2.1 U1.21
Net-(U2-CAP): C31.2 U2.9 U2.10
Net-(U5-SAG): C79.2 U5.25
Net-(U5-VIN): C41.2 U5.22
Net-(U5-VOUT): C66.2 U5.26
Net-(U7-BOOT1): C14.1 U7.20
Net-(U7-BOOT2): C15.1 U7.19
Net-(U7-CDC): R13.2 U7.16
Net-(U7-COMP): C23.2 R12.2 U7.15
Net-(U7-DITH/SYNC): C18.2 U7.5
Net-(U7-EXTVCC): R20.1 U7.21
Net-(U7-FB/~{INT}): R11.1 R16.2 U7.14
Net-(U7-FSW): R14.1 U7.6
Net-(U7-MODE): C44.1 R35.2 U7.2
Net-(U7-VCC): C17.2 U7.18
Net-(U9-EN): R7.2 U9.1 U9.14
Net-(U9-L1): L1.2 U9.11
Net-(U9-L2): L1.1 U9.9
Net-(U9-PG): R8.1 U9.2
Net-(U9-VAUX): C2.1 U9.3
Net-(U12-CB): C11.1 U12.6
Net-(U12-FB): R9.1 R10.1 U12.4
Net-(U12-SW): C11.2 U4.1 U12.2
Net-(U14-SCK): R26.1 U2.15 U14.4
Net-(U14-SDI): R25.1 U2.16 U14.3
Net-(U17-ANT): U6.5 U17.2
Net-(U19-DVDT): C71.1 U19.4
Net-(U19-EN/UVLO): R33.1 R49.2 U19.18
Net-(U19-ILIM): R50.2 U19.8
Net-(U19-IMON): C72.2 R51.1 U19.7
Net-(U19-IREF): C73.2 R15.1 U19.9
Net-(U19-ITIMER): C70.1 U19.6
Net-(U19-PG): R54.2 R55.2 U19.19
Net-(U19-SWEN): R56.2 U19.21
Net-(U19-VDD): C69.2 R32.1 U19.22
Net-(U19-~{FLT}): R53.2 U19.20
Net-(USB1-CC1): R2.1 USB1.A5
Net-(USB1-CC2): R1.1 USB1.B5

Pads without a net: J12 3; SW13 2; U1 7 45 76 81; U2 1 7 8 12 13 21 22 23 24 27; U5 1 2 7 13 14 15 16 27 28; U10 7 8; U14 5; U16 1 5 16 20; U17 8; U19 1 2 3 5 15 16 17; U20 5 8; USB1 A8 B8

## Via types
v1: diameter 0.4, hole 0.2, Top to Bottom, 206 vias
v2: diameter 0.45, hole 0.3, Top to Bottom, 290 vias
v3: diameter 0.5, hole 0.3, Top to Bottom, 182 vias
v4: diameter 0.6, hole 0.3, Top to Bottom, 5 vias
v5: diameter 0.7, hole 0.5, Top to Bottom, 354 vias
v6: diameter 0.3, hole 0.1, Top to Bottom, 1 via
v7: diameter 0.3, hole 0.1, Top to In2.Cu, 1 via

## Routing (per net, layer and track width the routed paths; a pad name or vN(x,y) marks a point on that pad's centre or on a via; arc(x,y) is an arc through that point)
+3.3V: length 370.8
  Top w0.2: 122.38,59.57 123.5,58.45 v1(123.5,57.5) 124.01,56.99 R26.2 R98.1 R97.1 R96.1 123.26,50.75 121.25,50.75 120.75,51.25 U2.5 120.75,52.25 120.7,52.3 119.82,52.3 119.75,52.23 ; 122.38,59.57 121.75,59.57 ; 122.38,59.57 122.48,59.67 U14.8 C34.2 ; 125.36,65.11 125.36,66.36 126,67 126,67.36 125.52,67.84 C55.1 ; 125.36,65.11 R103.2 ; 125.36,65.11 R104.2 ; R9.2 106.28,17.44 106.55,17.7 107,17.7 ; v2(95.47,51.48) 94.79,50.79 GPS.1 GPS.2 ; 119.75,52.23 U2.3 119.75,51.5 ; 119.75,52.23 119.75,51.5 ; 119.75,52.23 119.68,52.3 118.49,52.3 U2.28 117.25,52.25 C33.2 ; R58.2 R62.2 134.95,81.2 v1(133.75,80) ; v1(101.75,71.5) 102.39,72.14 R99.1 102.55,73.77 R102.1 ; v2(97.89,56) 98,55.89 SW12.1 ; v1(129.79,6.23) 129.25,5.7 R6.2 ; 119.75,51.5 119.75,51.02 C32.2 118.99,50.25 R27.1 ; 121.75,59.57 121.28,59.57 121.18,59.67 U14.6 ; 121.75,59.57 121,58.83 119.57,58.83 R25.2 ; SW5.2 131.5,22.32 131.5,20.54 128.28,17.32 SW9.2 SW8.2 121.5,17.32 SW4.2 ; U3.10 105.98,74.73 U3.1 105.97,75.12 v1(105.6,74.76) ; R65.2 R66.2 R61.2 ; 107,17.7 107.5,18.2 108.38,17.32 SW6.2 SW7.2 115.32,17.32 117.32,19.32 SW4.2 ; 107,17.7 v1(107,15.45) ; v1(130.5,80.5) 130.27,80.27 R63.2 ; L2.2 111.76,56.26 113,57.5 113,58.2 113.82,59.02 114.2,59.02 U1.27 ; SW4.2 119.5,21.68 SW1.2 118.18,25 SW3.2 122.07,23.75 125.93,23.75 SW2.2 ; v1(122.25,57) 121.83,57.42 U14.2 ; v1(106.97,13) LED16.2
  Top w0.3: v1(105.75,59.5) 105.84,59.59 C56.1 105.84,61.34 106,61.5 106,61.91 U1.11 ; U1.20 109.09,58.64 C65.1 ; U1.100 104.46,68.05 104.87,68.05 106.75,66.17 v1(106.75,65.5) 106.05,65.5 U1.6 104.21,63.66 C48.1
  Top w0.4: 113.91,77.94 113.25,77.28 v1(113.25,76.25) ; 113.91,77.94 114.4,77.46 ; 113.91,77.94 C51.1 C53.1 113,79 C42.1 108.5,77.16 C30.1 C29.1 107.09,75.66 v1(107.75,75) ; C54.1 C46.1 ; C54.1 113.62,55.44 111.81,55.44 L2.2 ; C54.1 113.84,55.16 C33.2 ; C67.1 125.68,80.31 R64.2 125.5,81.46 Card2.4 ; C67.1 C68.1 125.71,78.97 126.11,78.57 127.32,78.57 128.44,79.69 R63.2 ; C67.1 125.53,80.28 v1(124.85,79.6) ; J1.12 130.05,11.22 126.02,15.25 v1(122.25,15.25) ; C64.1 108.34,57.74 109.82,56.26 L2.2 ; C64.1 108.5,57.68 v1(108.5,55.75) ; C64.1 108.43,57.84 C65.1 ; J1.10 135.38,13.02 137.85,15.49 J14.1 ; v1(123.75,68.25) 124.16,67.84 124.19,67.84 ; 103.54,68.9 103.06,68.41 C50.1 C52.1 ; C45.1 123.44,67.09 ; 123.44,67.09 122.96,66.6 ; 123.44,67.09 124.19,67.84 ; C56.1 C47.1 ; C55.1 124.19,67.84 ; C49.1 110.09,55.35 L2.2 ; C43.1 C48.1 ; R100.1 R99.1 ; C12.2 101.7,26.3 107.5,20.5 107.5,18.2 110.25,15.45 116.7,15.45 118,16.75 v1(120.75,16.75)
  Top w0.6: R65.2 124.85,79.61 v1(124.85,79.6)
  Top w1.4: U4.2 v1(95.5,25.5)
  In2.Cu w0.2: J1.12 132.67,10.37 132.67,8.36 130.54,6.23 v1(129.79,6.23)
  Bottom w0.2: v1(130.5,80.5) 131.5,79.5 133.25,79.5 v1(133.75,80) ; v1(123.5,57.5) 122.75,57.5 v1(122.25,57) ; v1(101.75,71.5) 101.75,71.1 106.75,66.1 v1(106.75,65.5) ; v1(106.97,13) 107,13.03 v1(107,15.45) ; v1(105.6,74.76) 105.61,74.75 107.5,74.75 v1(107.75,75)
  Bottom w0.3: v1(106.75,65.5) 106.75,64.25 107.51,63.49 ; v1(105.75,59.5) 104.64,60.61
  Bottom w0.4: v1(122.25,15.25) v1(120.75,16.75) ; v1(105.75,59.5) 105.5,59.25 105.5,58.75 v1(108.5,55.75) ; v1(123.75,68.25) 122.75,69.25 ; 114.25,69.25 114.25,75.25 v1(113.25,76.25)
  Bottom w0.6: v1(124.85,79.6) 125.75,78.69 125.75,75.75 126.75,74.75 126.75,70.25 125.75,69.25 122.75,69.25
  Bottom w0.8: J1.10 J1.12
  Bottom w1: 122.75,69.25 113.27,69.25 97.89,53.86 v2(97.89,56) 97.89,56.62 J13.12 ; v1(95.5,25.5) v1(95.5,26)
  Bottom w1.4: 97.89,53.86 95.5,51.48 v1(95.5,26)
  vias: v1(95,26) v1(95,25.5) v1(95.5,25) v1(96,26) v1(96,25.5)
+3.3V_B: length 184.8
  Top w0.4: 44.25,78.5 v3(43.5,78.5) ; 44.25,78.5 U16.10 ; 44.25,78.5 44.25,81.25 43.25,82.25 LED7.1 LED4.1 ; v3(37,55) R28.1 ; v3(40.75,81.25) 40.75,81.65 LED6.1 ; J16.1 48.76,15.49 48.42,15.82 R101.2 47.42,15.82 47,16.25 ; 47,16.25 46.25,15.5 43.03,15.5 C1.2 ; 47,16.25 46.55,16.7 46.55,17.35 ; v3(43.5,71.25) 44.62,71.25 45.25,71.88 45.25,72.71
  Bottom w0.2: 42.4,69.4 47.3,69.4 48.1,70.2 48.1,71.6 49.6,73.1 50.68,73.1 51.38,73.8 52.1,73.8 52.4,74.1 52.8,74.1 53.03,73.87 53.12,73.61 59.4,56.39 59.4,18.25 56.75,15.6 53.6,15.6 J16.1
  Bottom w0.4: v3(40.75,81.25) v3(43.5,78.5) v3(43.5,71.25) 43.5,70.5 37.5,64.5 37.5,55.5 v3(37,55) 35.8,53.8 28.03,53.8 27.58,54.25 22,54.25 21.45,54.8 21.45,59.45 22.75,60.75 22.75,63.5 22.25,64 18.75,64 16.85,65.9 11.5,65.9 11,65.4 9.61,65.4 4.49,60.27 J15.12
+5V: length 189.2
  Top w0.2: v1(110.75,3) 110.75,2 LED15.2
  Top w0.4: J13.11 95.11,62.64 v1(96,61.75) ; v1(141.5,17.75) 142.25,18.5 v1(143,18.5) ; v1(94.4,46.75) v1(96.75,46.75)
  In1.Cu w0.4: v1(100.5,57.75) 103.5,54.75 105.75,54.75 v1(106.75,53.75)
  Bottom w0.2: v1(110.75,3) 110.75,8.5 114.25,12 124.07,12 128.17,7.9 132.58,7.9 138,13.32 138,15.82 J1.6
  Bottom w0.4: v1(94.4,46.75) 94,46.75 92.25,45 J2.2 ; v1(96,61.75) 99.75,58 100.25,58 v1(100.5,57.75) ; v1(96.75,46.75) 99.75,46.75 v1(106.75,53.75) 112,48.5 122.75,48.5 125.25,51 126.25,51 129.75,47.5 133.75,47.5 134.75,48.5 ; 134.75,48.5 134.75,49.71 U10.24 U10.23 U10.22 U10.21 U10.20 U10.19 U10.18 U10.17 ; 134.75,48.5 135.75,47.5 144,47.5 147.75,43.75 147.75,23.25 v1(143,18.5) ; v1(141.5,17.75) 140.36,16.61 J1.6
  Bottom w0.8: J1.6 J1.8
+5V_B: length 148.7
  Top w0.2: U16.19 39.38,72.75 v5(38.45,73.67) ; 16.32,55.73 U9.5 ; 16.32,55.73 16.32,57.25 16.16,57.41 U9.7 ; 16.32,55.73 16.32,54.13 15.68,53.49 R8.2 ; v5(39.5,81) 35.78,81 34.44,82.34 R86.2 ; R88.2 R85.2 22.73,82.23 22.05,81.55 v2(22.05,80.75) 22.35,80.75 R88.2
  Top w0.3: C8.2 C7.2 C9.2 17.16,59.04 C6.2
  Top w0.4: v5(38.45,73.67) 37.28,72.5 v4(33.5,72.5)
  Top w0.6: v2(18.5,56.5) 18.49,56.51 C9.2
  Top w0.8: v5(23,93.25) v5(21.25,91.5) ; SW13.1 23.47,102.26 26.21,99.52 v3(26.21,96.41)
  In1.Cu w0.6: v2(18.5,56.5) 16.5,54.5 11.5,54.5 8.25,57.75 8.25,59.52 J15.11 5.66,62.66
  In1.Cu w0.8: 5.66,62.66 9.75,66.75 v2(9.75,67.75)
  Bottom w0.2: v5(38.45,73.67) 37.75,74.38 37.75,80 38.75,81 v5(39.5,81)
  Bottom w0.4: 14,76 13.25,75.25 13.25,74.12 19.12,68.25 29.25,68.25 v4(33.5,72.5) ; v2(22.05,80.75) 22,80.8 16.5,80.8
  Bottom w0.8: v3(26.21,96.41) 26.16,96.41 v5(23,93.25) ; v5(21.25,91.5) 16.5,86.75 16.5,78.5 11.5,73.5 11.5,69.5 v2(9.75,67.75)
+12V: length 156.1
  Top w0.2: v1(114.38,11.25) 113.05,9.92 113.05,2.3 LED14.2
  Top w0.4: v5(94,54) 94,56 95,57 95,57.75 96.25,59 96.25,59.75 96.6,60.1 96.6,64.42 J13.10
  In2.Cu w0.4: v5(93.75,39) 93.75,53.75 v5(94,54)
  Bottom w0.2: J1.2 142.25,18.75 142.25,17 132.75,7.5 128,7.5 124.25,11.25 v1(114.38,11.25)
  Bottom w0.4: v5(93.75,39) 94.08,38.67 94.08,35.33 93.75,35 93.75,24.25 94.5,23.5 95,23.5 106.5,12 109,12 110,13 126.75,13 137.75,24 141.25,24 142.5,22.75 142.5,21.91 J1.2
  Bottom w0.8: J1.2 J1.4
+12V_B: length 100.7
  Top w0.2: U7.13 30.09,58.13 U7.12 30.11,59.53 29.88,59.77 C22.2 ; R11.2 23.12,55.64 C20.2 ; U7.11 30.61,59.41
  Top w0.4: C20.2 C21.2 30.61,59.41
  Top w0.8: 25.58,65 v5(25.58,62.38) 25.58,60.67 26.48,59.77 C20.2
  Bottom w0.4: 28.33,65.17 27.9,64.75 19.25,64.75 17.5,66.5 11,66.5 10.5,66 6.93,66 J15.10
  Bottom w0.8: J21.7 41.89,96.51 J21.5 42.76,94.12 J21.3 43.63,91.74 J21.1 44.5,88.83 36.78,81.1 36.78,73.62 22.25,59.1
GND: length 36.2
  Top w0.2: R77.2 R82.2 ; C62.2 C59.2 ; R72.2 130.25,5.72 R4.2 ; C32.1 117.79,50.25 C33.1 ; R1.2 R2.2 ; C34.1 121.83,61.19 U14.7 ; C29.2 C30.2
  Top w0.3: U1.49 123.28,65.5 123.5,65.5 123.66,65.34 C57.1 ; C50.2 102.82,70 103.22,70 U1.99 ; C58.1 115.66,78.16 115.5,78 115.5,77.78 U1.74
  Top w0.4: C58.1 115.16,79.09 C51.2 C53.2 ; C77.2 123.2,7.22 USB1.B1A12 ; C43.2 C48.2 ; C57.1 124.59,65.84 C45.2 C55.2 ; 114.4,58.04 113.91,57.56 C46.2 C54.2 ; C35.2 116.8,7.22 USB1.A1B12 ; C52.2 C50.2
  Bottom w0.8: J1.14 J1.13 J1.11 J1.9
  vias: v1(116.8,55.2) v3(92.25,19.75) v3(93.25,21.25) v3(100.25,49.25) v3(102.25,54.5) v3(104,42.75) v3(104.25,48) v3(107,47) v3(107,43.5) v3(107.5,39.25) v3(108,71) v3(108.25,53.5) v3(108.25,16) v3(108.25,13) v3(108.25,11) v3(108.25,1.75) v3(109,18.5) v3(110.5,68.25) v3(111,74.25) v3(111,63.6) v3(111.25,33.25) v3(112.25,65.25) v3(112.5,27.5) v3(115.25,70.75) v3(116.75,49.75) v3(117.75,71.5) v3(118.25,47.5) v3(119.5,32.75) v3(124.25,14.25) v3(124.75,53) v3(125,39.5) v3(125.75,12) v3(126.25,47.5) v3(126.75,66.25) v3(128.75,70) v3(129.25,75) v3(129.5,35.75) v3(130.75,18.25) v3(131.75,38.5) v3(134.5,4.75) v3(136.5,31) v3(140.75,23) v3(145.75,24.25) v3(145.75,18) v3(147.25,21) v4(124,44)
